# Altium PCB PCB5.PcbDoc (part 2 of 16) (continued)
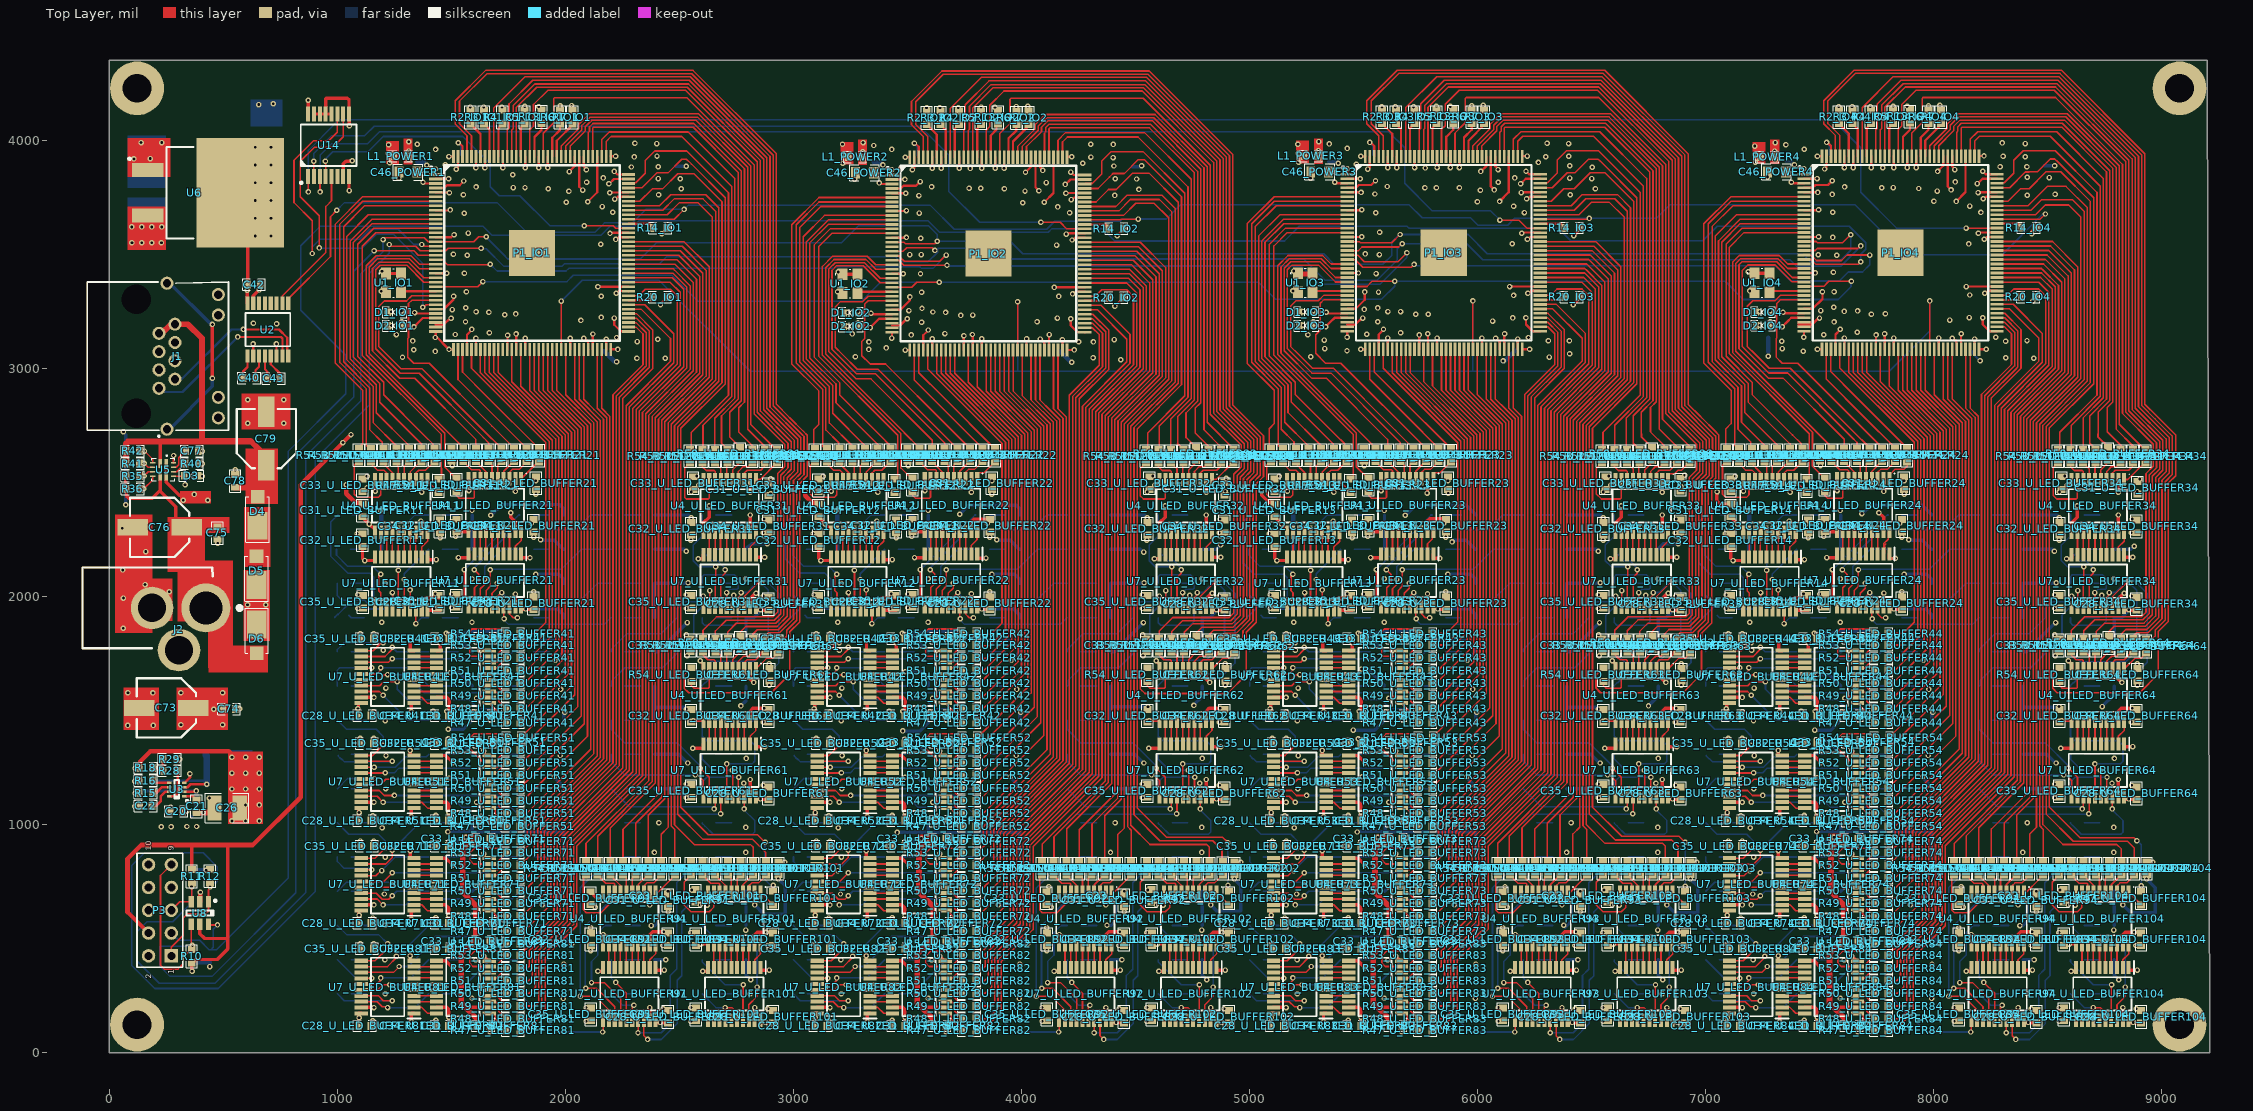
[diagram p0: Top Layer view]
## Components (designator, comment, footprint, x,y, rotation, side; value= is the part's Value field where it differs from the comment) (continued)
C55_POWER2 "10uF/25V" 0805C 4160.93,3769.27 r90 bottom (schematic designator C55)
C55_POWER3 "10uF/25V" 0805C 6157.83,3772.72 r90 bottom (schematic designator C55)
C55_POWER4 "10uF/25V" 0805C 8160.83,3772.87 r90 bottom (schematic designator C55)
C56_POWER1 "22uF/10V" 0603C 1302.27,3072.87 r0 bottom (schematic designator C56)
C56_POWER2 "22uF/10V" 0603C 3303.37,3070.27 r0 bottom (schematic designator C56)
C56_POWER3 "22uF/10V" 0603C 5300.27,3073.72 r0 bottom (schematic designator C56)
C56_POWER4 "22uF/10V" 0603C 7303.27,3073.87 r0 bottom (schematic designator C56)
C57_POWER1 "0.1uF/16V" 0603C 1731.83,3189.87 r90 bottom (schematic designator C57)
C57_POWER2 "0.1uF/16V" 0603C 3732.93,3187.27 r90 bottom (schematic designator C57)
C57_POWER3 "0.1uF/16V" 0603C 5729.83,3190.72 r90 bottom (schematic designator C57)
C57_POWER4 "0.1uF/16V" 0603C 7732.83,3190.87 r90 bottom (schematic designator C57)
C58_POWER1 "0.1uF/16V" 0603C 1608.83,3202.87 r90 bottom (schematic designator C58)
C58_POWER2 "0.1uF/16V" 0603C 3609.93,3200.27 r90 bottom (schematic designator C58)
C58_POWER3 "0.1uF/16V" 0603C 5606.83,3203.72 r90 bottom (schematic designator C58)
C58_POWER4 "0.1uF/16V" 0603C 7609.83,3203.87 r90 bottom (schematic designator C58)
C59_POWER1 "0.1uF/16V" 0603C 1509.83,3416.87 r0 bottom (schematic designator C59)
C59_POWER2 "0.1uF/16V" 0603C 3510.93,3414.27 r0 bottom (schematic designator C59)
C59_POWER3 "0.1uF/16V" 0603C 5507.83,3417.72 r0 bottom (schematic designator C59)
C59_POWER4 "0.1uF/16V" 0603C 7510.83,3417.87 r0 bottom (schematic designator C59)
C60_POWER1 "0.1uF/16V" 0603C 1509.83,3681.87 r0 bottom (schematic designator C60)
C60_POWER2 "0.1uF/16V" 0603C 3510.93,3679.27 r0 bottom (schematic designator C60)
C60_POWER3 "0.1uF/16V" 0603C 5507.83,3682.72 r0 bottom (schematic designator C60)
C60_POWER4 "0.1uF/16V" 0603C 7510.83,3682.87 r0 bottom (schematic designator C60)
C61_POWER1 "0.1uF/16V" 0603C 1607.83,3841.87 r270 bottom (schematic designator C61)
C61_POWER2 "0.1uF/16V" 0603C 3608.93,3839.27 r270 bottom (schematic designator C61)
C61_POWER3 "0.1uF/16V" 0603C 5605.83,3842.72 r270 bottom (schematic designator C61)
C61_POWER4 "0.1uF/16V" 0603C 7608.83,3842.87 r270 bottom (schematic designator C61)
C62_POWER1 "0.1uF/16V" 0603C 1821.83,3838.87 r270 bottom (schematic designator C62)
C62_POWER2 "0.1uF/16V" 0603C 3822.93,3836.27 r270 bottom (schematic designator C62)
C62_POWER3 "0.1uF/16V" 0603C 5819.83,3839.72 r270 bottom (schematic designator C62)
C62_POWER4 "0.1uF/16V" 0603C 7822.83,3839.87 r270 bottom (schematic designator C62)
C64_POWER1 "0.1uF/16V" 0603C 2015.83,3823.87 r270 bottom (schematic designator C64)
C64_POWER2 "0.1uF/16V" 0603C 4016.93,3821.27 r270 bottom (schematic designator C64)
C64_POWER3 "0.1uF/16V" 0603C 6013.83,3824.72 r270 bottom (schematic designator C64)
C64_POWER4 "0.1uF/16V" 0603C 8016.83,3824.87 r270 bottom (schematic designator C64)
C65_POWER1 "0.1uF/16V" 0603C 2205.33,3317.78 r180 bottom (schematic designator C65)
C65_POWER2 "0.1uF/16V" 0603C 4206.43,3315.18 r180 bottom (schematic designator C65)
C65_POWER3 "0.1uF/16V" 0603C 6203.33,3318.63 r180 bottom (schematic designator C65)
C65_POWER4 "0.1uF/16V" 0603C 8206.33,3318.78 r180 bottom (schematic designator C65)
C66_POWER1 "0.1uF/16V" 0603C 2067.83,3163.31 r90 bottom (schematic designator C66)
C66_POWER2 "0.1uF/16V" 0603C 4068.93,3160.71 r90 bottom (schematic designator C66)
C66_POWER3 "0.1uF/16V" 0603C 6065.83,3164.16 r90 bottom (schematic designator C66)
C66_POWER4 "0.1uF/16V" 0603C 8068.83,3164.31 r90 bottom (schematic designator C66)
C67_POWER1 "0.1uF/16V" 0603C 2200.83,3544.87 r180 bottom (schematic designator C67)
C67_POWER2 "0.1uF/16V" 0603C 4201.93,3542.27 r180 bottom (schematic designator C67)
C67_POWER3 "0.1uF/16V" 0603C 6198.83,3545.72 r180 bottom (schematic designator C67)
C67_POWER4 "0.1uF/16V" 0603C 8201.83,3545.87 r180 bottom (schematic designator C67)
C68_POWER1 "0.47uF/16V" 0603C 1665.83,3203.31 r90 bottom (schematic designator C68)
C68_POWER2 "0.47uF/16V" 0603C 3666.93,3200.71 r90 bottom (schematic designator C68)
C68_POWER3 "0.47uF/16V" 0603C 5663.83,3204.16 r90 bottom (schematic designator C68)
C68_POWER4 "0.47uF/16V" 0603C 7666.83,3204.31 r90 bottom (schematic designator C68)
C69_POWER1 "10uF/25V" 0805C 1531.83,3522.87 r0 bottom (schematic designator C69)
C69_POWER2 "10uF/25V" 0805C 3532.93,3520.27 r0 bottom (schematic designator C69)
C69_POWER3 "10uF/25V" 0805C 5529.83,3523.72 r0 bottom (schematic designator C69)
C69_POWER4 "10uF/25V" 0805C 7532.83,3523.87 r0 bottom (schematic designator C69)
C70_POWER1 "10uF/25V" 0805C 2469.2,3759.87 r180 bottom (schematic designator C70)
C70_POWER2 "10uF/25V" 0805C 4470.3,3757.27 r180 bottom (schematic designator C70)
C70_POWER3 "10uF/25V" 0805C 6467.2,3760.72 r180 bottom (schematic designator C70)
C70_POWER4 "10uF/25V" 0805C 8470.2,3760.87 r180 bottom (schematic designator C70)
C71_POWER1 "22uF/10V" 0603C 1771.49,3837.45 r90 bottom (schematic designator C71)
C71_POWER2 "22uF/10V" 0603C 3772.59,3834.85 r90 bottom (schematic designator C71)
C71_POWER3 "22uF/10V" 0603C 5769.49,3838.3 r90 bottom (schematic designator C71)
C71_POWER4 "22uF/10V" 0603C 7772.49,3838.45 r90 bottom (schematic designator C71)
C72_POWER1 "22uF/10V" 0603C 2454.2,3831.87 r180 bottom (schematic designator C72)
C72_POWER2 "22uF/10V" 0603C 4455.3,3829.27 r180 bottom (schematic designator C72)
C72_POWER3 "22uF/10V" 0603C 6452.2,3832.72 r180 bottom (schematic designator C72)
C72_POWER4 "22uF/10V" 0603C 8455.2,3832.87 r180 bottom (schematic designator C72)
C73 "10uF/63V" EEE-FN1J100L 250.14,1511.47 r180 top
C74 "2.2uF/50V" 0603C 524.68,1507.07 r180 top
C75 "2.2uF/50V" 0603C 474.24,2278.27 r90 top
C76 "10uF/63V" EEE-FN1J100L 221.24,2303.27 r180 top
C77 "2.2uF/50V" 0603C 362.78,2638.34 r180 top
C78 "2.2uF/50V" 0603C 552.34,2506.57 r270 top
C79 "10uF/63V" EEE-FN1J100L 688.64,2692.47 r90 top
D1_IO1 "LEDR" LED_0603 1252.13,3246.07 r180 top value=RED (schematic designator D1)
D1_IO2 "LEDR" LED_0603 3253.23,3243.47 r180 top value=RED (schematic designator D1)
D1_IO3 "LEDR" LED_0603 5250.13,3246.91 r180 top value=RED (schematic designator D1)
D1_IO4 "LEDR" LED_0603 7253.13,3247.07 r180 top value=RED (schematic designator D1)
D2_IO1 "LEDR" LED_0603 1252.13,3186.77 r180 top value=RED (schematic designator D2)
D2_IO2 "LEDR" LED_0603 3253.23,3184.17 r180 top value=RED (schematic designator D2)
D2_IO3 "LEDR" LED_0603 5250.13,3187.61 r180 top value=RED (schematic designator D2)
D2_IO4 "LEDR" LED_0603 7253.13,3187.77 r180 top value=RED (schematic designator D2)
D3 "LEDR" LED_0603 360.16,2529.18 r180 top value=RED
D4 "V8PAM10S-M3_H" V8PAM10SHM3H 650.54,2353.17 r90 top
D5 "V8PAM10S-M3_H" V8PAM10SHM3H 645.94,2093.34 r90 top
D6 "V8PAM10S-M3_H" V8PAM10SHM3H 646.44,1833.73 r270 top
D7_U_LED_BUFFER11 "LEDG" LED_0603 1560.63,1907.16 r180 bottom value=GREEN (schematic designator D7)
D7_U_LED_BUFFER12 "LEDG" LED_0603 3560.63,1907.16 r180 bottom value=GREEN (schematic designator D7)
D7_U_LED_BUFFER13 "LEDG" LED_0603 5560.63,1907.16 r180 bottom value=GREEN (schematic designator D7)
D7_U_LED_BUFFER14 "LEDG" LED_0603 7560.63,1907.16 r180 bottom value=GREEN (schematic designator D7)
D7_U_LED_BUFFER21 "LEDG" LED_0603 1960.63,1907.16 r180 bottom value=GREEN (schematic designator D7)
D7_U_LED_BUFFER22 "LEDG" LED_0603 3960.63,1907.16 r180 bottom value=GREEN (schematic designator D7)
D7_U_LED_BUFFER23 "LEDG" LED_0603 5960.63,1907.16 r180 bottom value=GREEN (schematic designator D7)
D7_U_LED_BUFFER24 "LEDG" LED_0603 7960.63,1907.16 r180 bottom value=GREEN (schematic designator D7)
D7_U_LED_BUFFER31 "LEDG" LED_0603 2760.63,1757.16 r180 bottom value=GREEN (schematic designator D7)
D7_U_LED_BUFFER32 "LEDG" LED_0603 4760.63,1757.16 r180 bottom value=GREEN (schematic designator D7)
D7_U_LED_BUFFER33 "LEDG" LED_0603 6760.63,1757.16 r180 bottom value=GREEN (schematic designator D7)
D7_U_LED_BUFFER34 "LEDG" LED_0603 8760.63,1757.16 r180 bottom value=GREEN (schematic designator D7)
D7_U_LED_BUFFER41 "LEDG" LED_0603 1560.63,1457.16 r180 bottom value=GREEN (schematic designator D7)
D7_U_LED_BUFFER42 "LEDG" LED_0603 3560.63,1457.16 r180 bottom value=GREEN (schematic designator D7)
D7_U_LED_BUFFER43 "LEDG" LED_0603 5560.63,1457.16 r180 bottom value=GREEN (schematic designator D7)
D7_U_LED_BUFFER44 "LEDG" LED_0603 7560.63,1457.16 r180 bottom value=GREEN (schematic designator D7)
D7_U_LED_BUFFER51 "LEDG" LED_0603 1960.63,1007.16 r180 bottom value=GREEN (schematic designator D7)
D7_U_LED_BUFFER52 "LEDG" LED_0603 3960.63,1007.16 r180 bottom value=GREEN (schematic designator D7)
D7_U_LED_BUFFER53 "LEDG" LED_0603 5960.63,1007.16 r180 bottom value=GREEN (schematic designator D7)
D7_U_LED_BUFFER54 "LEDG" LED_0603 7960.63,1007.16 r180 bottom value=GREEN (schematic designator D7)
D7_U_LED_BUFFER61 "LEDG" LED_0603 2760.63,1007.16 r180 bottom value=GREEN (schematic designator D7)
D7_U_LED_BUFFER62 "LEDG" LED_0603 4760.63,1007.16 r180 bottom value=GREEN (schematic designator D7)
D7_U_LED_BUFFER63 "LEDG" LED_0603 6760.63,1007.16 r180 bottom value=GREEN (schematic designator D7)
D7_U_LED_BUFFER64 "LEDG" LED_0603 8760.63,1007.16 r180 bottom value=GREEN (schematic designator D7)
D7_U_LED_BUFFER71 "LEDG" LED_0603 1960.63,707.16 r180 bottom value=GREEN (schematic designator D7)
D7_U_LED_BUFFER72 "LEDG" LED_0603 3960.63,707.16 r180 bottom value=GREEN (schematic designator D7)
D7_U_LED_BUFFER73 "LEDG" LED_0603 5960.63,707.16 r180 bottom value=GREEN (schematic designator D7)
D7_U_LED_BUFFER74 "LEDG" LED_0603 7960.63,707.16 r180 bottom value=GREEN (schematic designator D7)
D7_U_LED_BUFFER81 "LEDG" LED_0603 1560.63,257.16 r180 bottom value=GREEN (schematic designator D7)
D7_U_LED_BUFFER82 "LEDG" LED_0603 3560.63,257.16 r180 bottom value=GREEN (schematic designator D7)
D7_U_LED_BUFFER83 "LEDG" LED_0603 5560.63,257.16 r180 bottom value=GREEN (schematic designator D7)
D7_U_LED_BUFFER84 "LEDG" LED_0603 7560.63,257.16 r180 bottom value=GREEN (schematic designator D7)
D7_U_LED_BUFFER91 "LEDG" LED_0603 2760.63,707.16 r180 bottom value=GREEN (schematic designator D7)
D7_U_LED_BUFFER92 "LEDG" LED_0603 4760.63,707.16 r180 bottom value=GREEN (schematic designator D7)
D7_U_LED_BUFFER93 "LEDG" LED_0603 6760.63,707.16 r180 bottom value=GREEN (schematic designator D7)
D7_U_LED_BUFFER94 "LEDG" LED_0603 8760.63,707.16 r180 bottom value=GREEN (schematic designator D7)
D7_U_LED_BUFFER101 "LEDG" LED_0603 2760.63,557.16 r180 bottom value=GREEN (schematic designator D7)
D7_U_LED_BUFFER102 "LEDG" LED_0603 4760.63,557.16 r180 bottom value=GREEN (schematic designator D7)
D7_U_LED_BUFFER103 "LEDG" LED_0603 6760.63,557.16 r180 bottom value=GREEN (schematic designator D7)
D7_U_LED_BUFFER104 "LEDG" LED_0603 8760.63,557.16 r180 bottom value=GREEN (schematic designator D7)
D8_U_LED_BUFFER11 "LEDG" LED_0603 1560.63,2057.16 r180 bottom value=GREEN (schematic designator D8)
D8_U_LED_BUFFER12 "LEDG" LED_0603 3560.63,2057.16 r180 bottom value=GREEN (schematic designator D8)
D8_U_LED_BUFFER13 "LEDG" LED_0603 5560.63,2057.16 r180 bottom value=GREEN (schematic designator D8)
D8_U_LED_BUFFER14 "LEDG" LED_0603 7560.63,2057.16 r180 bottom value=GREEN (schematic designator D8)
D8_U_LED_BUFFER21 "LEDG" LED_0603 2360.63,1907.16 r180 bottom value=GREEN (schematic designator D8)
D8_U_LED_BUFFER22 "LEDG" LED_0603 4360.63,1907.16 r180 bottom value=GREEN (schematic designator D8)
D8_U_LED_BUFFER23 "LEDG" LED_0603 6360.63,1907.16 r180 bottom value=GREEN (schematic designator D8)
D8_U_LED_BUFFER24 "LEDG" LED_0603 8360.63,1907.16 r180 bottom value=GREEN (schematic designator D8)
D8_U_LED_BUFFER31 "LEDG" LED_0603 2760.63,1607.16 r180 bottom value=GREEN (schematic designator D8)
D8_U_LED_BUFFER32 "LEDG" LED_0603 4760.63,1607.16 r180 bottom value=GREEN (schematic designator D8)
D8_U_LED_BUFFER33 "LEDG" LED_0603 6760.63,1607.16 r180 bottom value=GREEN (schematic designator D8)
D8_U_LED_BUFFER34 "LEDG" LED_0603 8760.63,1607.16 r180 bottom value=GREEN (schematic designator D8)
D8_U_LED_BUFFER41 "LEDG" LED_0603 1960.63,1457.16 r180 bottom value=GREEN (schematic designator D8)
D8_U_LED_BUFFER42 "LEDG" LED_0603 3960.63,1457.16 r180 bottom value=GREEN (schematic designator D8)
D8_U_LED_BUFFER43 "LEDG" LED_0603 5960.63,1457.16 r180 bottom value=GREEN (schematic designator D8)
D8_U_LED_BUFFER44 "LEDG" LED_0603 7960.63,1457.16 r180 bottom value=GREEN (schematic designator D8)
D8_U_LED_BUFFER51 "LEDG" LED_0603 1960.63,1157.16 r180 bottom value=GREEN (schematic designator D8)
D8_U_LED_BUFFER52 "LEDG" LED_0603 3960.63,1157.16 r180 bottom value=GREEN (schematic designator D8)
D8_U_LED_BUFFER53 "LEDG" LED_0603 5960.63,1157.16 r180 bottom value=GREEN (schematic designator D8)
D8_U_LED_BUFFER54 "LEDG" LED_0603 7960.63,1157.16 r180 bottom value=GREEN (schematic designator D8)
D8_U_LED_BUFFER61 "LEDG" LED_0603 2760.63,1157.16 r180 bottom value=GREEN (schematic designator D8)
D8_U_LED_BUFFER62 "LEDG" LED_0603 4760.63,1157.16 r180 bottom value=GREEN (schematic designator D8)
D8_U_LED_BUFFER63 "LEDG" LED_0603 6760.63,1157.16 r180 bottom value=GREEN (schematic designator D8)
D8_U_LED_BUFFER64 "LEDG" LED_0603 8760.63,1157.16 r180 bottom value=GREEN (schematic designator D8)
D8_U_LED_BUFFER71 "LEDG" LED_0603 1560.63,707.16 r180 bottom value=GREEN (schematic designator D8)
D8_U_LED_BUFFER72 "LEDG" LED_0603 3560.63,707.16 r180 bottom value=GREEN (schematic designator D8)
D8_U_LED_BUFFER73 "LEDG" LED_0603 5560.63,707.16 r180 bottom value=GREEN (schematic designator D8)
D8_U_LED_BUFFER74 "LEDG" LED_0603 7560.63,707.16 r180 bottom value=GREEN (schematic designator D8)
D8_U_LED_BUFFER81 "LEDG" LED_0603 1160.63,257.16 r180 bottom value=GREEN (schematic designator D8)
D8_U_LED_BUFFER82 "LEDG" LED_0603 3160.63,257.16 r180 bottom value=GREEN (schematic designator D8)
D8_U_LED_BUFFER83 "LEDG" LED_0603 5160.63,257.16 r180 bottom value=GREEN (schematic designator D8)
D8_U_LED_BUFFER84 "LEDG" LED_0603 7160.63,257.16 r180 bottom value=GREEN (schematic designator D8)
D8_U_LED_BUFFER91 "LEDG" LED_0603 2760.63,857.16 r180 bottom value=GREEN (schematic designator D8)
D8_U_LED_BUFFER92 "LEDG" LED_0603 4760.63,857.16 r180 bottom value=GREEN (schematic designator D8)
D8_U_LED_BUFFER93 "LEDG" LED_0603 6760.63,857.16 r180 bottom value=GREEN (schematic designator D8)
D8_U_LED_BUFFER94 "LEDG" LED_0603 8760.63,857.16 r180 bottom value=GREEN (schematic designator D8)
D8_U_LED_BUFFER101 "LEDG" LED_0603 2760.63,407.16 r180 bottom value=GREEN (schematic designator D8)
D8_U_LED_BUFFER102 "LEDG" LED_0603 4760.63,407.16 r180 bottom value=GREEN (schematic designator D8)
D8_U_LED_BUFFER103 "LEDG" LED_0603 6760.63,407.16 r180 bottom value=GREEN (schematic designator D8)
D8_U_LED_BUFFER104 "LEDG" LED_0603 8760.63,407.16 r180 bottom value=GREEN (schematic designator D8)
D9_U_LED_BUFFER11 "LEDG" LED_0603 1560.63,2207.16 r180 bottom value=GREEN (schematic designator D9)
D9_U_LED_BUFFER12 "LEDG" LED_0603 3560.63,2207.17 r180 bottom value=GREEN (schematic designator D9)
D9_U_LED_BUFFER13 "LEDG" LED_0603 5560.63,2207.16 r180 bottom value=GREEN (schematic designator D9)
D9_U_LED_BUFFER14 "LEDG" LED_0603 7560.63,2207.16 r180 bottom value=GREEN (schematic designator D9)
D9_U_LED_BUFFER21 "LEDG" LED_0603 2360.63,2057.16 r180 bottom value=GREEN (schematic designator D9)
D9_U_LED_BUFFER22 "LEDG" LED_0603 4360.63,2057.16 r180 bottom value=GREEN (schematic designator D9)
D9_U_LED_BUFFER23 "LEDG" LED_0603 6360.63,2057.16 r180 bottom value=GREEN (schematic designator D9)
D9_U_LED_BUFFER24 "LEDG" LED_0603 8360.63,2057.16 r180 bottom value=GREEN (schematic designator D9)
D9_U_LED_BUFFER31 "LEDG" LED_0603 2760.63,1907.16 r180 bottom value=GREEN (schematic designator D9)
D9_U_LED_BUFFER32 "LEDG" LED_0603 4760.63,1907.16 r180 bottom value=GREEN (schematic designator D9)
D9_U_LED_BUFFER33 "LEDG" LED_0603 6760.63,1907.16 r180 bottom value=GREEN (schematic designator D9)
D9_U_LED_BUFFER34 "LEDG" LED_0603 8760.63,1907.16 r180 bottom value=GREEN (schematic designator D9)
D9_U_LED_BUFFER41 "LEDG" LED_0603 1960.63,1607.16 r180 bottom value=GREEN (schematic designator D9)
D9_U_LED_BUFFER42 "LEDG" LED_0603 3960.63,1607.16 r180 bottom value=GREEN (schematic designator D9)
D9_U_LED_BUFFER43 "LEDG" LED_0603 5960.63,1607.16 r180 bottom value=GREEN (schematic designator D9)
D9_U_LED_BUFFER44 "LEDG" LED_0603 7960.63,1607.16 r180 bottom value=GREEN (schematic designator D9)
D9_U_LED_BUFFER51 "LEDG" LED_0603 1560.63,1157.16 r180 bottom value=GREEN (schematic designator D9)
D9_U_LED_BUFFER52 "LEDG" LED_0603 3560.63,1157.16 r180 bottom value=GREEN (schematic designator D9)
D9_U_LED_BUFFER53 "LEDG" LED_0603 5560.63,1157.16 r180 bottom value=GREEN (schematic designator D9)
D9_U_LED_BUFFER54 "LEDG" LED_0603 7560.63,1157.16 r180 bottom value=GREEN (schematic designator D9)
D9_U_LED_BUFFER61 "LEDG" LED_0603 2760.63,1307.16 r180 bottom value=GREEN (schematic designator D9)
D9_U_LED_BUFFER62 "LEDG" LED_0603 4760.63,1307.16 r180 bottom value=GREEN (schematic designator D9)
D9_U_LED_BUFFER63 "LEDG" LED_0603 6760.63,1307.16 r180 bottom value=GREEN (schematic designator D9)
D9_U_LED_BUFFER64 "LEDG" LED_0603 8760.63,1307.16 r180 bottom value=GREEN (schematic designator D9)
D9_U_LED_BUFFER71 "LEDG" LED_0603 1160.63,707.16 r180 bottom value=GREEN (schematic designator D9)
D9_U_LED_BUFFER72 "LEDG" LED_0603 3160.63,707.16 r180 bottom value=GREEN (schematic designator D9)
D9_U_LED_BUFFER73 "LEDG" LED_0603 5160.63,707.16 r180 bottom value=GREEN (schematic designator D9)
D9_U_LED_BUFFER74 "LEDG" LED_0603 7160.63,707.16 r180 bottom value=GREEN (schematic designator D9)
D9_U_LED_BUFFER81 "LEDG" LED_0603 1960.63,407.16 r180 bottom value=GREEN (schematic designator D9)
D9_U_LED_BUFFER82 "LEDG" LED_0603 3960.63,407.16 r180 bottom value=GREEN (schematic designator D9)
D9_U_LED_BUFFER83 "LEDG" LED_0603 5960.63,407.16 r180 bottom value=GREEN (schematic designator D9)
D9_U_LED_BUFFER84 "LEDG" LED_0603 7960.63,407.16 r180 bottom value=GREEN (schematic designator D9)
D9_U_LED_BUFFER91 "LEDG" LED_0603 2360.63,257.16 r180 bottom value=GREEN (schematic designator D9)
D9_U_LED_BUFFER92 "LEDG" LED_0603 4360.63,257.16 r180 bottom value=GREEN (schematic designator D9)
D9_U_LED_BUFFER93 "LEDG" LED_0603 6360.63,257.16 r180 bottom value=GREEN (schematic designator D9)
D9_U_LED_BUFFER94 "LEDG" LED_0603 8360.63,257.16 r180 bottom value=GREEN (schematic designator D9)
D9_U_LED_BUFFER101 "LEDG" LED_0603 2760.63,257.16 r180 bottom value=GREEN (schematic designator D9)
D9_U_LED_BUFFER102 "LEDG" LED_0603 4760.63,257.16 r180 bottom value=GREEN (schematic designator D9)
D9_U_LED_BUFFER103 "LEDG" LED_0603 6760.63,257.16 r180 bottom value=GREEN (schematic designator D9)
D9_U_LED_BUFFER104 "LEDG" LED_0603 8760.63,257.16 r180 bottom value=GREEN (schematic designator D9)
D10_U_LED_BUFFER11 "LEDG" LED_0603 1560.63,2357.16 r180 bottom value=GREEN (schematic designator D10)
D10_U_LED_BUFFER12 "LEDG" LED_0603 3560.63,2357.17 r180 bottom value=GREEN (schematic designator D10)
D10_U_LED_BUFFER13 "LEDG" LED_0603 5560.63,2357.16 r180 bottom value=GREEN (schematic designator D10)
D10_U_LED_BUFFER14 "LEDG" LED_0603 7560.63,2357.16 r180 bottom value=GREEN (schematic designator D10)
D10_U_LED_BUFFER21 "LEDG" LED_0603 1960.63,2057.16 r180 bottom value=GREEN (schematic designator D10)
D10_U_LED_BUFFER22 "LEDG" LED_0603 3960.63,2057.16 r180 bottom value=GREEN (schematic designator D10)
D10_U_LED_BUFFER23 "LEDG" LED_0603 5960.63,2057.16 r180 bottom value=GREEN (schematic designator D10)
D10_U_LED_BUFFER24 "LEDG" LED_0603 7960.63,2057.16 r180 bottom value=GREEN (schematic designator D10)
D10_U_LED_BUFFER31 "LEDG" LED_0603 2760.63,2057.16 r180 bottom value=GREEN (schematic designator D10)
D10_U_LED_BUFFER32 "LEDG" LED_0603 4760.63,2057.16 r180 bottom value=GREEN (schematic designator D10)
D10_U_LED_BUFFER33 "LEDG" LED_0603 6760.63,2057.16 r180 bottom value=GREEN (schematic designator D10)
D10_U_LED_BUFFER34 "LEDG" LED_0603 8760.63,2057.16 r180 bottom value=GREEN (schematic designator D10)
D10_U_LED_BUFFER41 "LEDG" LED_0603 1560.63,1607.16 r180 bottom value=GREEN (schematic designator D10)
D10_U_LED_BUFFER42 "LEDG" LED_0603 3560.63,1607.16 r180 bottom value=GREEN (schematic designator D10)
D10_U_LED_BUFFER43 "LEDG" LED_0603 5560.63,1607.16 r180 bottom value=GREEN (schematic designator D10)
D10_U_LED_BUFFER44 "LEDG" LED_0603 7560.63,1607.16 r180 bottom value=GREEN (schematic designator D10)
D10_U_LED_BUFFER51 "LEDG" LED_0603 1160.63,1157.16 r180 bottom value=GREEN (schematic designator D10)
D10_U_LED_BUFFER52 "LEDG" LED_0603 3160.63,1157.16 r180 bottom value=GREEN (schematic designator D10)
D10_U_LED_BUFFER53 "LEDG" LED_0603 5160.63,1157.16 r180 bottom value=GREEN (schematic designator D10)
D10_U_LED_BUFFER54 "LEDG" LED_0603 7160.63,1157.16 r180 bottom value=GREEN (schematic designator D10)
D10_U_LED_BUFFER61 "LEDG" LED_0603 2760.63,1457.16 r180 bottom value=GREEN (schematic designator D10)
D10_U_LED_BUFFER62 "LEDG" LED_0603 4760.63,1457.16 r180 bottom value=GREEN (schematic designator D10)
D10_U_LED_BUFFER63 "LEDG" LED_0603 6760.63,1457.16 r180 bottom value=GREEN (schematic designator D10)
D10_U_LED_BUFFER64 "LEDG" LED_0603 8760.63,1457.16 r180 bottom value=GREEN (schematic designator D10)
D10_U_LED_BUFFER71 "LEDG" LED_0603 1960.63,857.16 r180 bottom value=GREEN (schematic designator D10)
D10_U_LED_BUFFER72 "LEDG" LED_0603 3960.63,857.16 r180 bottom value=GREEN (schematic designator D10)
D10_U_LED_BUFFER73 "LEDG" LED_0603 5960.63,857.16 r180 bottom value=GREEN (schematic designator D10)
D10_U_LED_BUFFER74 "LEDG" LED_0603 7960.63,857.16 r180 bottom value=GREEN (schematic designator D10)
D10_U_LED_BUFFER81 "LEDG" LED_0603 1560.63,407.16 r180 bottom value=GREEN (schematic designator D10)
D10_U_LED_BUFFER82 "LEDG" LED_0603 3560.63,407.16 r180 bottom value=GREEN (schematic designator D10)
D10_U_LED_BUFFER83 "LEDG" LED_0603 5560.63,407.16 r180 bottom value=GREEN (schematic designator D10)
D10_U_LED_BUFFER84 "LEDG" LED_0603 7560.63,407.16 r180 bottom value=GREEN (schematic designator D10)
D10_U_LED_BUFFER91 "LEDG" LED_0603 2360.63,407.16 r180 bottom value=GREEN (schematic designator D10)
D10_U_LED_BUFFER92 "LEDG" LED_0603 4360.63,407.16 r180 bottom value=GREEN (schematic designator D10)
D10_U_LED_BUFFER93 "LEDG" LED_0603 6360.63,407.16 r180 bottom value=GREEN (schematic designator D10)
D10_U_LED_BUFFER94 "LEDG" LED_0603 8360.63,407.16 r180 bottom value=GREEN (schematic designator D10)
D11_U_LED_BUFFER11 "LEDG" LED_0603 1160.63,1907.16 r180 bottom value=GREEN (schematic designator D11)
D11_U_LED_BUFFER12 "LEDG" LED_0603 3160.63,1907.16 r180 bottom value=GREEN (schematic designator D11)
D11_U_LED_BUFFER13 "LEDG" LED_0603 5160.63,1907.16 r180 bottom value=GREEN (schematic designator D11)
D11_U_LED_BUFFER14 "LEDG" LED_0603 7160.63,1907.16 r180 bottom value=GREEN (schematic designator D11)
D11_U_LED_BUFFER21 "LEDG" LED_0603 2360.63,2207.16 r180 bottom value=GREEN (schematic designator D11)
D11_U_LED_BUFFER22 "LEDG" LED_0603 4360.63,2207.16 r180 bottom value=GREEN (schematic designator D11)
D11_U_LED_BUFFER23 "LEDG" LED_0603 6360.63,2207.16 r180 bottom value=GREEN (schematic designator D11)
D11_U_LED_BUFFER24 "LEDG" LED_0603 8360.63,2207.16 r180 bottom value=GREEN (schematic designator D11)
D11_U_LED_BUFFER31 "LEDG" LED_0603 2760.63,2207.16 r180 bottom value=GREEN (schematic designator D11)
D11_U_LED_BUFFER32 "LEDG" LED_0603 4760.63,2207.16 r180 bottom value=GREEN (schematic designator D11)
D11_U_LED_BUFFER33 "LEDG" LED_0603 6760.63,2207.16 r180 bottom value=GREEN (schematic designator D11)
D11_U_LED_BUFFER34 "LEDG" LED_0603 8760.63,2207.16 r180 bottom value=GREEN (schematic designator D11)
D11_U_LED_BUFFER41 "LEDG" LED_0603 1160.63,1607.16 r180 bottom value=GREEN (schematic designator D11)
D11_U_LED_BUFFER42 "LEDG" LED_0603 3160.63,1607.16 r180 bottom value=GREEN (schematic designator D11)
D11_U_LED_BUFFER43 "LEDG" LED_0603 5160.63,1607.16 r180 bottom value=GREEN (schematic designator D11)
D11_U_LED_BUFFER44 "LEDG" LED_0603 7160.63,1607.16 r180 bottom value=GREEN (schematic designator D11)
D11_U_LED_BUFFER51 "LEDG" LED_0603 1960.63,1307.16 r180 bottom value=GREEN (schematic designator D11)
D11_U_LED_BUFFER52 "LEDG" LED_0603 3960.63,1307.16 r180 bottom value=GREEN (schematic designator D11)
D11_U_LED_BUFFER53 "LEDG" LED_0603 5960.63,1307.16 r180 bottom value=GREEN (schematic designator D11)
D11_U_LED_BUFFER54 "LEDG" LED_0603 7960.63,1307.16 r180 bottom value=GREEN (schematic designator D11)
D11_U_LED_BUFFER61 "LEDG" LED_0603 2360.63,1007.16 r180 bottom value=GREEN (schematic designator D11)
D11_U_LED_BUFFER62 "LEDG" LED_0603 4360.63,1007.16 r180 bottom value=GREEN (schematic designator D11)
D11_U_LED_BUFFER63 "LEDG" LED_0603 6360.63,1007.16 r180 bottom value=GREEN (schematic designator D11)
D11_U_LED_BUFFER64 "LEDG" LED_0603 8360.63,1007.16 r180 bottom value=GREEN (schematic designator D11)
D11_U_LED_BUFFER71 "LEDG" LED_0603 1560.63,857.16 r180 bottom value=GREEN (schematic designator D11)
D11_U_LED_BUFFER72 "LEDG" LED_0603 3560.63,857.16 r180 bottom value=GREEN (schematic designator D11)
D11_U_LED_BUFFER73 "LEDG" LED_0603 5560.63,857.16 r180 bottom value=GREEN (schematic designator D11)
D11_U_LED_BUFFER74 "LEDG" LED_0603 7560.63,857.16 r180 bottom value=GREEN (schematic designator D11)
D11_U_LED_BUFFER81 "LEDG" LED_0603 1160.63,407.16 r180 bottom value=GREEN (schematic designator D11)
D11_U_LED_BUFFER82 "LEDG" LED_0603 3160.63,407.16 r180 bottom value=GREEN (schematic designator D11)
D11_U_LED_BUFFER83 "LEDG" LED_0603 5160.63,407.16 r180 bottom value=GREEN (schematic designator D11)
D11_U_LED_BUFFER84 "LEDG" LED_0603 7160.63,407.16 r180 bottom value=GREEN (schematic designator D11)
D11_U_LED_BUFFER91 "LEDG" LED_0603 2360.63,557.16 r180 bottom value=GREEN (schematic designator D11)
D11_U_LED_BUFFER92 "LEDG" LED_0603 4360.63,557.16 r180 bottom value=GREEN (schematic designator D11)
D11_U_LED_BUFFER93 "LEDG" LED_0603 6360.63,557.16 r180 bottom value=GREEN (schematic designator D11)
D11_U_LED_BUFFER94 "LEDG" LED_0603 8360.63,557.16 r180 bottom value=GREEN (schematic designator D11)
D12_U_LED_BUFFER11 "LEDG" LED_0603 1160.63,2057.16 r180 bottom value=GREEN (schematic designator D12)
D12_U_LED_BUFFER12 "LEDG" LED_0603 3160.63,2057.16 r180 bottom value=GREEN (schematic designator D12)
D12_U_LED_BUFFER13 "LEDG" LED_0603 5160.63,2057.16 r180 bottom value=GREEN (schematic designator D12)
D12_U_LED_BUFFER14 "LEDG" LED_0603 7160.63,2057.16 r180 bottom value=GREEN (schematic designator D12)
D12_U_LED_BUFFER21 "LEDG" LED_0603 1960.63,2207.16 r180 bottom value=GREEN (schematic designator D12)
D12_U_LED_BUFFER22 "LEDG" LED_0603 3960.63,2207.16 r180 bottom value=GREEN (schematic designator D12)
D12_U_LED_BUFFER23 "LEDG" LED_0603 5960.63,2207.16 r180 bottom value=GREEN (schematic designator D12)
D12_U_LED_BUFFER24 "LEDG" LED_0603 7960.63,2207.16 r180 bottom value=GREEN (schematic designator D12)
D12_U_LED_BUFFER31 "LEDG" LED_0603 2760.63,2357.16 r180 bottom value=GREEN (schematic designator D12)
D12_U_LED_BUFFER32 "LEDG" LED_0603 4760.63,2357.16 r180 bottom value=GREEN (schematic designator D12)
D12_U_LED_BUFFER33 "LEDG" LED_0603 6760.63,2357.16 r180 bottom value=GREEN (schematic designator D12)
D12_U_LED_BUFFER34 "LEDG" LED_0603 8760.63,2357.16 r180 bottom value=GREEN (schematic designator D12)
D12_U_LED_BUFFER41 "LEDG" LED_0603 1960.63,1757.16 r180 bottom value=GREEN (schematic designator D12)
D12_U_LED_BUFFER42 "LEDG" LED_0603 3960.63,1757.16 r180 bottom value=GREEN (schematic designator D12)